# Altium PCB 28Pins_Project_V1I1_PCB.PcbDoc (continued)
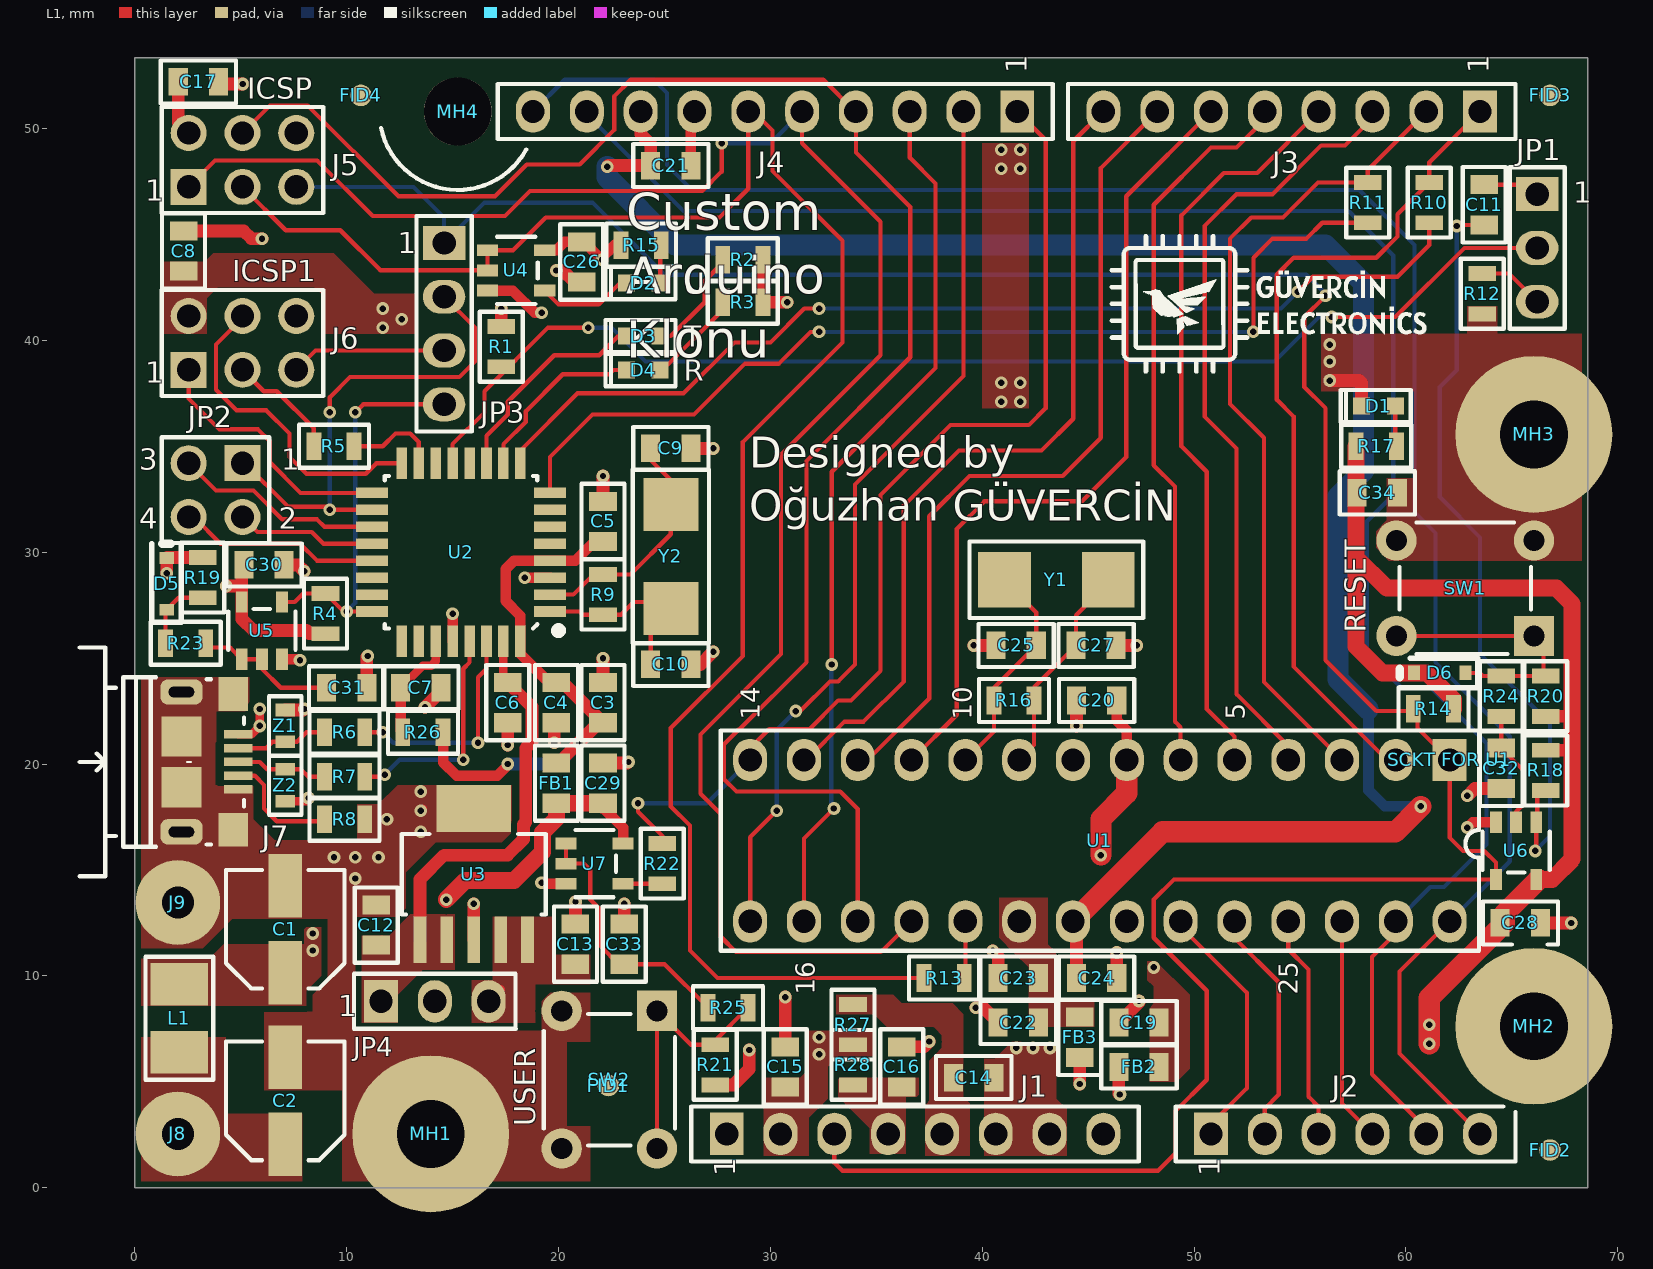
[diagram p0: L1 view]
## Nets (pads, with @x,y where several pads share a name; then routed paths per layer and width w, separated by ;. In a path a pad name is that pad's centre, name@x,y a point inside that pad or via, vN(x,y) a via of type N, cw(c..) or ccw(c..) an arc to the next point about the centre after c; other vN are vias at no path point)
16U2_16MHZ_XTAL1: C10.2 R9.1 U2.1 Y2.1 | length 9
  L1 w0.2: U2.1 20.984,27.2 21.134,27.05 R9.1 22.95,27.05 23.55,27.65 25.3,27.65 24.35,26.7 C10.2@24.35,25.1
16U2_16MHZ_XTAL2: C9.2 R9.2 U2.2 Y2.2 | length 10.9
  L1 w0.2: U2.2 20.7,28 21.65,28.95 R9.2 23.4,28.95 25.3,30.85 25.3,31.95 25.3,33.4 24.35,34.35 C9.2@24.35,34.5
16U2_BUF_RESETN: C31.1 R23.2 U5.1 U5.2 | length 6.8
  L1 w0.2: R23.2@3.35,25.5 4.5,25.5 U5.1 U5.2 6,24.489 6.889,23.6 C31.1
16U2_HDR_RESETN: J6.5 JP3.3 | length 7.4
  L1 w0.2: J6.5 8.532,39.52 JP3.3
16U2_MISO: J6.1 U2.17 | length 12.4
  L1 w0.2: J6.1 2.54,37.26 4,35.8 5.816,35.8 6.38,35.236 6.38,34.246 7.826,32.8 U2.17
16U2_MOSI: J6.4 U2.16 | length 15.3
  L1 w0.2: J6.4 5.08,41.05 3.83,39.8 3.83,37.67 4.8,36.7 6.2,36.7 7.3,35.6 7.3,34.5 8.1,33.7 10.9,33.7 11.4,34.2 U2.16
16U2_PB4: JP2.1 JP3.2 U2.18 | length 23.6
  L1 w0.2: JP2.1@5.1,34.22 JP2.1 5.177,34.2 7.227,32.15 9.1,32.15 9.25,32 U2.18 ; v1(9.2,36.6) 9.2,37.31 10.16,38.27 15.318,38.27 16.05,39.002 16.05,40.61 JP3.2
  L2 w0.2: v1(9.2,32) v1(9.2,36.6)
16U2_PB5: JP2.3 U2.19 | length 9.9
  L1 w0.2: JP2.3 3.83,32.91 5.598,32.91 6.958,31.55 8.599,31.55 8.949,31.2 U2.19
16U2_PB6: JP2.2 U2.20 | length 6.6
  L1 w0.2: JP2.2 5.79,30.95 8.35,30.95 8.9,30.4 U2.20
16U2_PB7: JP2.4 U2.21 | length 9.5
  L1 w0.2: JP2.4 2.785,31.66 4.045,30.4 7.8,30.4 8.6,29.6 U2.21
16U2_RESETN: JP3.4 R4.1 U2.24 U5.4 | length 18.7
  L1 w0.2: U5.4 7.55,27.65 7.95,28.05 R4.1 9.85,27.2 v1(10,27.2) U2.24 ; v1(10.4,36.6) 10.78,36.98 JP3.4
  L2 w0.2: v1(10,27.2) 10.4,27.6 v1(10.4,36.6)
16U2_RX_LED: D4.1 U2.10 | length 8.4
  L1 w0.2: U2.10 17.4,35.1 18.45,36.15 18.45,36.65 20.2,38.4 22.4,38.4 22.6,38.6 D4.1
16U2_RXD: R11.1 U2.8 | length 46.9
  L1 w0.2: U2.8 19.6,34.5 21.6,36.5 26.4,36.5 28.8,38.9 30.4,38.9 31.9,40.4 v1(32.3,40.4) ; v1(52.8,40.4) 52.8,43.9 53.7,44.8 55.3,44.8 56.05,45.55 R11.1
  L2 w0.2: v1(32.3,40.4) v1(52.8,40.4)
16U2_SCLK: J6.3 R5.2 | length 5.4
  L1 w0.2: J6.3 6.088,37.6 6.7,37.6 8.45,35.85 R5.2
16U2_SCLK_R: R5.1 U2.15 | length 4.7
  L1 w0.2: R5.1 11.7,35 12.3,35.6 13,35.6 13.4,35.2 U2.15 U2.15@13.4,34
16U2_TX_LED: D3.1 U2.11 | length 10.2
  L1 w0.2: U2.11 16.6,35.5 17.6,36.5 17.6,37.1 19.8,39.3 21.922,39.3 22.822,40.2 D3.1
16U2_TXD: R10.1 U2.9 | length 48.6
  L1 w0.2: U2.9 18.2,34.8 20.9,37.5 25.9,37.5 28.3,39.9 30,39.9 31.6,41.5 v1(32.3,41.5) ; v1(54.9,42.3) 55.6,43 59.6,43 61.1,44.5 R10.1
  L2 w0.2: v1(32.3,41.5) 54.1,41.5 v1(54.9,42.3)
16U2PROG_328P_RESETN: JP1.2 R1.1 U2.13 | length 57.8
  L1 w0.2: U2.13 15,35.1 16.5,36.6 16.5,37.6 19.5,40.6 v1(21.4,40.6) ; v1(56.5,41.1) 59.5,41.1 62.76,44.36 JP1.2
  L2 w0.2: v1(21.4,40.6) 22.5,40.6 24.1,39 53.8,39 55.9,41.1 v1(56.5,41.1)
328P_16MHZ_XTAL1: C27.2 R16.1 U1.9 Y1.1 | length 10.5
  L1 w0.2: U1.9@41.552,20.386 U1.9 42.45,20.898 R16.1 42.45,23.625 C27.2 44.425,27.025 45.95,28.55 Y1.1
328P_16MHZ_XTAL2: C25.2 R16.2 U1.10 Y1.2 | length 10.5
  L1 w0.2: U1.10 40.55,21.538 R16.2 40.55,23.6 C25.2 42.55,27.15 41.05,28.65 Y1.2
328P_AUTORESETN: C11.1 R18.1 U6.1 | length 36.6
  L1 w0.2: v1(62.4,45.4) 62.45,45.45 C11.1 ; v1(66.1,15.9) 66.15,15.95 U6.1 66.2,17.3 66.2,18.45 R18.1@66.5,18.75
  L2 w0.2: v1(62.4,45.4) 62.4,38.6 61.6,37.8 61.6,32.6 63.5,30.7 63.5,25.2 66.8,21.9 66.8,16.6 v1(66.1,15.9)
328P_BUF_RESETN: C32.1 R24.2 U6.2 | length 5.5
  L1 w0.2: R24.2@64.5,22.15 C32.1 65.55,19.7 65.55,18.099 65.2,17.749 U6.2
328P_RESETN: J1.3 J5.5 JP3.1 R14.1 U1.1 U6.4 | length 134.7
  L1 w0.2: J1.3 33.02,1.18 33.4,0.8 48.3,0.8 49.13,1.63 49.13,3.63 50.6,5.1 50.6,9.3 48.1,11.8 48.1,13.6 49.05,14.55 U6.4 64.25,15.35 63.7,15.9 62.7,15.9 62.065,16.535 U1.1 60.55,21.708 R14.1@60.55,22.5 ; v1(56.2,42.1) 55.2,41.1 55.2,37.8 56.2,36.8 56.2,24.9 58.6,22.5 R14.1@60.55,22.5 ; R14.1@60.55,22.6 R14.1@60.55,22.5
  L2 w0.2: J5.5 13.156,47.244 14.6,45.8 JP3.1 16.5,46.5 21.6,46.5 25,43.1 55.3,43.1 56.2,42.2 v1(56.2,42.1)
+3V3: C13.1 C16.1 J1.4 JP4.3 R28.1 U3.4 U3.5 | length 0.9
  L1 w0.4: JP4.3 JP4.3@17.27,9.37 ; U3.4 U3.4@17.37,11.6
+3V3_16U2_UCAP: C7.2 R26.1 U2.27 | length 5.1
  L1 w0.4: C7.2 13.6,24.65 14,24.65 14.2,24.85 U2.27
  L1 w0.5: R26.1@12.55,21.6 C7.2
+5V: C2.1 C6.1 C12.1 C14.1 J1.5 J8.1 JP4.1 L1.2 R27.2 U2.31 U3.1 U3.2 | length 20
  L1 w0.4: J8.1@2.1,2.7 J8.1@3.05,1.75 ; C12.1@11.62,11.67 C12.1@11.65,11.7 ; U2.31 17.4,24.05 C6.1
  L1 w0.6: U3.1 13.46,14.56 14.6,15.7 17.6,15.7 18.35,16.45 18.35,17.146 18.45,17.246 18.45,20.75 18.75,21.05 18.75,22.7 C6.1
+5V/3V3: C8.1 C15.1 C17.1 C26.1 C28.1 C29.1 C30.1 C34.1 D5.1 D6.1 FB1.1 FB2.1 FB3.1 J1.2 J5.2 J6.2 JP4.2 R1.2 R2.2 R3.2 R4.2 R14.2 R15.2 R17.2 R18.2 R19.2 R20.2 R21.2 R27.1 R28.2 U4.5 U5.5 U6.5 U7.5 | length 93.1
  L1 w0.5: C8.1@2.05,43.25 C8.1@2.1,43.3 ; U4.5 19.9,44.25 20.3,44.65 C26.1 21.2,44.65 22,43.85 22.65,44.5 R15.2 ; C29.1@21.9,18.15 22.1,17.95 23.05,17 U7.5 ; v1@46.45,4.45 v1(46.5,4.4)
  L1 w0.6: v1(1.5,29) D5.1 1.531,29.75 R19.2 ; C17.1 2.05,50.274 J5.2 ; v1(4.322,28.4) 4.95,28.4 5.05,28.3 ; C30.1 5.05,29.3 5.05,28.3 ; R4.2 8.25,26.15 8.1,26.3 5.6,26.3 5.05,26.85 U5.5 5.05,28.3 ; R1.2 v1(17.3,41.5) ; C29.1@22.1,17.95 C29.1 ; R21.2 28.25,4.85 29,5.6 v1(29,6.5) ; R2.2 R3.2 v1(30.8,41.8) ; v1(44.6,4.9) FB3.1 ; v1@46.45,4.45 FB2.1 ; R18.2@66.5,20.65 67.75,20.65 ; R20.2@66.5,22.25 67.65,22.25 67.75,22.15 67.8,22.2
  L1 w0.8: v1(14.7,13.6) 15.6,14.5 17.9,14.5 19.25,15.85 19.25,16.774 19.9,17.424 FB1.1 21.9,18.15 C29.1 ; R17.2 57.65,29.75 ; R14.2 62.25,23.05 61,24.3 D6.1 58.9,24.3 57.65,25.55 57.65,29.75 ; U6.5 66.25,14.55 66.894,14.55 67.85,15.506 67.85,27.55 67.1,28.3 59.1,28.3 57.65,29.75
  L1 w1: v1(61.1,6.8) 61.1,8.95 64.65,12.5 64.65,12.95 U6.5@66.25,14.55
  L2 w0.5: JP4.2 JP4.2@14.16,9.36
  other v1: 32.3,6.3 32.3,7.1 61.1,7.7 11.7,40.6 12.6,41 11.7,41.5 22.05,43.8
+5V/3V3_16U2: C3.1 C4.1 C5.1 FB1.2 R26.2 U2.4 U2.32 | length 26.3
  L1 w0.5: R26.2 14.55,20.089 15.189,19.45 17.1,19.45 v1@17.6,19.95 ; C4.1 19.55,23.85 18.2,25.2 U2.32 18.2,27 17.5,27.7 17.5,29.2 17.9,29.6 U2.4 20.784,29.6 21.684,30.5 C5.1
  L1 w0.6: FB1.2 20,20.05 21.9,21.95 C3.1 20.2,23.85 C4.1
  L2 w0.6: v1@17.7,20 19.961,20 20.939,20.978 v1(20.984,20.978)
  other v1: 17.6,20
+5V/3V3_328P_AVCC: C22.1 C23.1 FB3.2 U1.20 | length 0.4
  L1 w0.4: C22.1 C22.1@42.9,8.05
+5V/3V3_328P_VCC: C19.1 C20.1 FB2.2 U1.7 | length 8
  L1 w0.5: C20.1 46.35,22.058 46.825,21.583 U1.7
  L1 w1: v1(45.6,15.7) 45.6,17.4 46.825,18.625 U1.7
  other v1: 48.1,10.4
+5V_USB: C1.1 J7.1 L1.1 | length 2.5
  L1 w0.4: J7.1 5.5,21.4 v1(5.9,21.8) v1(5.9,22.6) ; C1.1@6.775,9.725 C1.1@7.1,10.05
  other v1: 8.4,11.2 8.4,12
+AREF: C21.1 C24.1 J4.8 U1.21 | length 92.3
  L1 w0.6: v1(22.3,48.2) 22.35,48.25 C21.1 24.35,49.266 23.876,49.74 J4.8 ; U1.21 44.45,12.408 C24.1
  L1 w1: U1.21 48.512,16.8 59.5,16.8 v1(60.7,18)
  L2 w0.5: 58.214,22.586 58.235,22.565 58.235,18.765 59,18 v1(60.7,18)
  L2 w1: v1(22.3,48.2) 22.3,47.7 25.5,44.5 56.2,44.5 58,42.7 58,33.828 56.8,32.628 56.8,24 58.214,22.586
AD0: J2.1 U1.23 | length 12
  L1 w0.2: U1.23 49.365,12.335 52.5,9.2 52.5,4.7 50.8,3 J2.1
AD1: J2.2 U1.24 | length 11.2
  L1 w0.2: U1.24 51.905,11.795 54,9.7 54,4.4 53.34,3.74 J2.2
AD2: J2.3 U1.25 | length 10.6
  L1 w0.2: U1.25 54.445,11.255 55.4,10.3 55.4,4.3 55.88,3.82 J2.3
AD3: J2.4 U1.26 | length 10.6
  L1 w0.2: U1.26 56.985,3.975 J2.4
AD4/SDA: J2.5 J4.9 U1.27 | length 89.8
  L1 w0.2: U1.27 59.525,12.025 58.4,10.9 58.4,5.36 60.96,2.8 J2.5
  L2 w0.2: J4.9 21.336,50.664 25.9,46.1 57.3,46.1 59.4,44 59.4,32.7 58.15,31.45 58.15,25.25 59.8,23.6 61.183,23.6 63.8,20.983 63.8,16.2 61.8,14.2 61.152,14.2 U1.27
AD5/SCL: J2.6 J4.10 U1.28 | length 95.1
  L1 w0.2: J4.10@18.796,50.704 J4.10 ; U1.28 59.7,10.208 59.7,6.34 J2.6
  L2 w0.2: J4.10 20.296,52.3 24.5,52.3 25.126,51.674 25.126,48.274 26.3,47.1 57.8,47.1 60.4,44.5 60.4,31.9 61.4,30.9 61.4,24.8 64.9,21.3 64.9,15.408 U1.28
BUTTON_RESETN: D6.2 R20.1 R24.1 SW1.1 SW1.2 | length 12.5
  L1 w0.2: SW1.2 SW1.1 66.5,25.6 66.5,24.15 R24.1 ; D6.2 63.484,24.3 63.634,24.15 R24.1 ; R24.1@64.35,24.3 R24.1
CON_USB_N: J7.2 R6.1 Z1.2 | length 4.4
  L1 w0.2: J7.2 6.188,20.75 6.488,21.05 Z1.2 7.65,21.05 8.1,21.5 R6.1
CON_USB_P: J7.3 R7.1 Z2.2 | length 4.4
  L1 w0.2: J7.3 5.9,20.1 6.25,19.75 Z2.2 7.85,19.75 8.2,19.4 R7.1
GND: C1.2 C2.2 C3.2 C4.2 C5.2 C6.2 C7.1 C8.2 C9.1 C10.1 C12.2 C13.2 C14.2 C15.2 C16.2 C17.2 C19.2 C20.2 C21.2 C22.2 C23.2 C24.2 C25.1 C26.2 C27.1 C28.2 C29.2 C30.2 C31.2 C32.2 C33.2 C34.2 D1.1 J1.6 J1.7 J4.7 J5.6 J6.6 J7.5 J7.6 J7.7 J7.8 J7.9 J7.10 J7.11 J9.1 MH1.1 MH2.1 MH3.1 R8.2 R12.2 SW1.3 SW1.4 SW2.3 SW2.4 U1.8 U1.22 U2.3 U2.28 U3.3 U3.6 U4.3 U5.3 U6.3 U7.3 Z1.1 Z2.1 | length 65.7
  L1 w0.4: J7.9@2.1,16.7 J7.9 ; J7.11 J7.11@2.65,18.9 ; J7.10 J7.10@2.65,21.3 ; J7.7@4.55,16.8 J7.7 J7.7@4.875,17.125 ; J7.6@4.55,23.4 J7.6 ; C1.2@7.1,14.35 C1.2@7.1,14.45 ; Z2.1 v1@8.093,18.25 ; v1@10.95,25.05 v1(11,25.1) ; v1(13.5,17.8) v1@13.6,17.9 ; MH1.1 MH1.1@14.81,1.7 ; U1.8 U1.8@44.45,20.358 ; U1.22@46.35,12.098 U1.22
  L1 w0.5: U5.3 7.75,24.95 v1(7.8,24.9) ; v1@7.95,22.55 v1(8,22.6) ; U2.28 v1(15,27.1) ; U4.3 17.84,42.35 18.89,41.3 v1(19.2,41.3) ; v1(18.4,28.8) U2.3 ; v1(19.2,14.4) 19.25,14.35 U7.3 ; C29.2@21.9,20.05 C29.2 ; v1@23.25,20.05 v1(23.3,20.1) ; C21.2 26.25,50.634 26.282,50.634 26.416,50.5 J4.7 ; v1(62.9,17) 63.15,17.25 U6.3
  L1 w0.6: C8.2 5.136,45.164 5.5,44.8 v1(6,44.8) ; C17.2 4.05,52.1 v1(5.1,52.1) ; C30.2 7.7,29.4 v1(8,29.1) ; Z1.1 v1@7.95,22.55 ; C31.2 v1@10.95,25.05 ; v1(13.7,22.684) 14.45,23.434 C7.1 ; U3.3 v1(16,13.4) ; v1(17.6,20.9) C6.2 ; v1(19.8,21) 19.8,21.85 C4.2 ; v1(19.9,43.3) 20.2,43.3 20.75,42.75 C26.2 ; C13.2 v1(20.8,13.5) ; C29.2 v1@23.25,20.05 ; C3.2 v1(22.1,25) ; C5.2 v1(22.1,33.6) ; C33.2 v1(23.1,13.4) ; C10.1 26.7,24.7 v1(27.3,25.3) ; C9.1 v1(27.3,34.9) ; C15.2 v1(30.7,9) ; C16.2 37.25,6.65 v1(37.5,6.9) ; v1(39.6,25.6) C25.1 ; v1(39.7,8.5) 40.05,8.5 C22.2 ; v1(40.5,11.183) 40.75,10.933 C23.2 ; v1(44.45,21.8) C20.2 ; C27.1 v1(47.3,25.6) ; C24.2 v1(46.35,11.1) ; C19.2 47.4,8.75 v1(47.4,8.816) ; v1(56.4,38.1) 57.8,38.1 57.9,38 D1.1 ; v1(62.9,18.5) 63.25,18.85 C32.2 ; C28.2 v1(67.8,12.5)
  L1 w0.9: J1.6@40.55,2.63 J1.6
  L2 w0.4: J7.8@2.1,23.3 J7.8 ; v1(13.5,16.8) v1@13.6,16.7 ; MH1.1 MH1.1@13.97,2.75 ; J1.6 J1.6@40.64,3.16 ; U1.22@46.35,12.098 U1.22 ; MH3.1@63.8,37.8 MH3.1 ; MH2.1 MH2.1@67.8,9.38 ; SW1.3@66.04,30.56 SW1.3
  other v1: 41.6,6.6 42.4,6.6 43.2,6.6 10.4,14.6 9.4,15.6 10.4,15.6 11.5,15.6 11.9,17.4 8.2,18.4 13.5,18.7 40.9,37.1 41.8,37.1 40.9,38 41.8,38 56.4,39 56.4,39.8 40.9,48.1 41.8,48.1 40.9,49 41.8,49
IO0: J3.1 R10.2 U1.2 | length 39.4
  L1 w0.2: U1.2 59.11,20.193 54.7,24.603 54.7,36.4 53.9,37.2 53.9,43.1 54.7,43.9 58.6,43.9 59.6,44.9 59.6,45.95 R10.2 61.1,48.4 J3.1
IO1: J3.2 R11.2 U1.3 | length 38.9
  L1 w0.2: U1.3 53.3,23.878 53.3,35.4 51.7,37 51.7,44.8 52.7,45.8 54.2,45.8 55.85,47.45 R11.2 58.2,48.04 J3.2
IO2: J3.3 U1.4 | length 37.2
  L1 w0.2: U1.4 54.445,20.855 52,23.3 52,34.9 50.5,36.4 50.5,45.4 52,46.9 53.7,46.9 56,49.2 57.12,49.2 58.42,50.5 J3.3
IO3: J3.4 U1.5 | length 35.3
  L1 w0.2: U1.5 51.905,21.295 50.6,22.6 50.6,33.8 49.4,35 49.4,45.9 51.4,47.9 52.98,47.9 J3.4
IO4: J3.5 U1.6 | length 34
  L1 w0.2: U1.6 49.365,21.735 49.1,22 49.1,33.1 48.1,34.1 48.1,46.4 50.8,49.1 52,49.1 53.34,50.44 J3.5
IO5: J3.6 U1.11 | length 39.2
  L1 w0.2: U1.11 38.8,22.328 38.8,31.1 40.1,32.4 44.7,32.4 46.8,34.5 46.8,46.8 J3.6
IO6: J3.7 U1.12 | length 39.3
  L1 w0.2: U1.12 34.593,20.193 37.5,23.1 37.5,31.7 39.4,33.6 43.8,33.6 45.6,35.4 45.6,48.14 J3.7
IO7: J3.8 U1.13 | length 39.3
  L1 w0.2: U1.13 31.693,20.193 33.5,22 34.4,22 36.3,23.9 36.3,32.2 38.9,34.8 42.8,34.8 44.3,36.3 44.3,49.4 45.7,50.8 J3.8
IO8: J4.1 R22.1 U1.14 | length 49.1
  L1 w0.2: v1(23.75,18.15) 23.75,17.75 24.9,16.6 R22.1 ; U1.14 29.045,20.745 29.943,21.643 31.843,21.643 33.2,23 33.8,23 35.2,24.4 35.2,32.7 38.5,36 42.2,36 43,36.8 43,49.456 J4.1
  L2 w0.2: v1(23.75,18.15) 27.002,18.15 U1.14
IO9: J4.2 U1.15 | length 42.8
  L1 w0.2: U1.15 29.045,16.545 v1(30.3,17.8) ; v1(31.2,22.5) 31.41,22.5 32.81,23.9 33.2,23.9 34,24.7 34,33.2 39.116,38.316 J4.2
  L2 w0.2: v1(30.3,17.8) 30.3,21.6 v1(31.2,22.5)
MISO: J4.5 J5.1 U1.18 | length 87.8
  L1 w0.2: J5.1 3.79,48.494 8.606,48.494 11.23,45.87 17.47,45.87 18.65,47.05 26.786,47.05 27.7,47.964 v1@27.7,49.2 ; J4.5@31.496,51.004 J4.5 31.496,49.304 35.2,45.6 35.2,39.3 30.5,34.6 30.5,25.2 26.7,21.4 26.7,18.6 27.655,17.645 27.655,11.845 28.377,11.123 35.215,11.123 U1.18
  L2 w0.2: v1(27.7,49.3) 29.996,49.3 J4.5
MOSI: J4.4 J5.4 U1.17 | length 83.5
  L1 w0.2: J5.4 6.38,51.084 8.158,51.084 12.442,46.8 17,46.8 18.5,48.3 21,48.3 22.626,49.926 22.626,51.518 23.408,52.3 32.5,52.3 34,50.8 J4.4 34.036,48.864 36.6,46.3 36.6,39.2 31.7,34.3 31.7,24.8 28.543,21.643 28.527,21.643 27.795,20.911 27.795,19.305 28.4,18.7 33.3,18.7 34.125,17.875 U1.17
NetC11_2: C11.2 JP1.1 | length 2.9
  L1 w0.2: C11.2@63.9,47.35 65.35,47.35 65.8,46.9 JP1.1@66.6,46.9
NetD1_2: D1.2 R17.1 | length 1.9
  L1 w0.2: D1.2 59.5,35.05 R17.1
NetD2_1: D2.1 U4.4 | length 4.5
  L1 w0.2: U4.4 20,41.7 21.9,41.7 22.9,42.7 D2.1
NetD2_2: D2.2 R15.1 | length 1.9
  L1 w0.2: D2.2 R15.1@24.8,44.6
NetD3_2: D3.2 R2.1 | length 5.1
  L1 w0.2: D3.2 25.3,40.2 26.9,41.8 26.9,42.816 27.75,43.666 R2.1
NetD4_2: D4.2 R3.1 | length 4.5
  L1 w0.2: D4.2 24.916,38.6 27.75,41.434 R3.1
NetD5_2: D5.2 R19.1 R23.1 | length 3.7
  L1 w0.2: R23.1@1.45,25.5 1.45,27.231 D5.2 2.069,27.85 R19.1
NetJ7_4: J7.4 R8.1 | length 5.7
  L1 w0.2: J7.4 5.666,19.45 6.1,19.016 6.1,17.9 6.7,17.3 8.85,17.3 R8.1
NetJP1_3: JP1.3 R12.1 | length 3.4
  L1 w0.2: R12.1 64.87,43.15 JP1.3 ; JP1.3@66.4,42.02 JP1.3@66.6,41.82
NetR22_2: R22.2 U7.4 | length 1.9
  L1 w0.2: U7.4 R22.2
SCK: J4.6 J5.3 R13.2 U4.1 U4.2 | length 88.2
  L1 w0.2: J5.3 7.124,45.2 9.7,45.2 11.59,43.31 U4.2@16.65,43.31 ; U4.2 U4.2@16.65,43.31 ; R13.2 27.5,9.9 26.2,11.2 26.2,17.1 25.3,18 25.3,21.7 28.7,25.1 28.7,35.2 33.4,39.9 33.4,44.7 30.1,48 30.1,49.9 29.2,50.8 J4.6 28.956,47.156 27.6,45.8 19.4,45.8 17.85,44.25 U4.1 U4.2@16.65,43.31
SCK_R: R13.1 U1.19 | length 2.7
  L1 w0.2: R13.1 39.205,9.955 U1.19
SS: J4.3 U1.16 | length 41.4
  L1 w0.2: U1.16 31.585,16.485 v1(33,17.9) ; v1(32.9,24.7) 32.9,33.8 37.8,38.7 37.8,47.4 36.576,48.624 J4.3
  L2 w0.2: v1(32.9,24.7) 32.875,24.675 32.875,18.025 v1(33,17.9)
USB_N: R6.2 U2.30 | length 10.5
  L1 w0.2: R6.2 v1(11.7,21.5) ; v1(16.2,21) 16.2,24.1 16.6,24.5 U2.30
  L2 w0.2: v1(11.7,21.5) 12.2,21 v1(16.2,21)
USB_P: R7.2 U2.29 | length 10.7
  L1 w0.2: R7.2 11.7,19.4 v1(11.8,19.5) ; v1(15.5,20.2) 15.5,24.5 15.8,24.8 U2.29
  L2 w0.2: v1(11.8,19.5) 12.5,20.2 v1(15.5,20.2)
USER_BUTTON: R21.1 R25.1 SW2.1 SW2.2 | length 12.3
  L1 w0.2: SW2.2 SW2.1 26.25,6.75 R21.1 27.4,6.95 R25.1
USER_BUTTON_BUF: C33.1 R25.2 U7.1 U7.2 | length 12.3
  L1 w0.2: U7.1 U7.2 21.2,15.3 21.5,15 21.5,13.6 22,13.1 22,11.384 22.834,10.55 C33.1 25,10.55 R25.2
pads on no net: FID1.1 FID2.1 FID3.1 FID4.1 J1.1 J1.8 MH4.1 U2.5 U2.6 U2.7 U2.12 U2.14 U2.22 U2.23 U2.25 U2.26

## Polygon pours and split planes (outlines as drawn)
+5V on L2 "L2-No Net" (solid, remove dead copper, pour order 3): 39.6,3.6 39.6,0.3 0.3,0.3 0.3,4.8 0.3,5.7 7.2,5.7 11.2,9.7 11.3,9.8 11.8,9.8 12.4,9.8 12.4,8.3 12.4,7.5 18.8,7.5 21.8,4.5 25,4.5 26.24,4.5 26.9,3.84 26.9,1.24 34.94,1.24 36.9,1.24 36.9,3.6
+3V3 on L2 "L2-No Net" (solid, remove dead copper, pour order 4): 15.9,7.8 15.9,9.8 16.8,10.7 21.9,10.7 23.4,9.2 23.4,7.1 27.2,7.1 28.4,5.9 28.7,5.6 30.2,5.6 34.3,5.6 35.8,4.1 36.4,3.5 36.4,1.6 34.7,1.6 34.7,2.7 34.7,2.8 33.8,3.7 33.66,3.84 27.36,3.84 26.7,4.5 26.4,4.8 23.1,4.8 22,4.8 19,7.8
+5V/3V3 on L2 "L2-No Net" (solid, remove dead copper, pour order 5): 0.3,6 7.05,6 7.75,6.7 11.15,10.1 12.4,10.1 12.9,10.1 12.9,7.8 15.4,7.8 15.4,9.2 15.4,10 15.9,10.5 16.4,11 22.1,11 23,10.1 23.4,9.7 26,9.7 26,7.5 27.4,7.5 28.1,6.8 29,5.9 29.684,5.9 34.5,5.9 36,4.4 36.5,3.9 39.9,3.9 39.9,0.3 61.8,0.3 61.8,8.6 58.7,8.6 55.2,8.6 52.7,6.1 41.284,6.1 41.084,6.3 37.2,6.3 35.2,8.3 30.5,8.3 26,12.8 15.4,12.8 15.4,13.9 9.1,13.9 9.1,10.6 7.1,10.6 7.1,13.7 6.7,14.1 6.6,14.2 6.6,15.3 6.6,16.3 6,16.9 5.6,17.3 5.6,18.5 5.6,19.6 5.2,20 5.2,51.2 0.3,51.2
+5V_USB on L2 "L2-No Net" (solid, remove dead copper, pour order 6): 7.4,10.9 8.8,10.9 8.8,17.8 7.7,17.8 7.7,18.1 7.7,21.8 7.2,21.8 7.2,23.197 5.503,23.197 5.499,20.201 5.9,19.8 5.9,17.5 7,16.4 7,14.3 7.4,13.9
GND on L2 "L2-No Net" (solid, remove dead copper, pour order 8): 0.3,53 0.3,51.5 5.5,51.5 5.5,49.6 5.5,23.5 7.2,23.5 7.5,23.5 7.5,22.1 8,22.1 8,17.8 8,18.1 9.1,18.1 9.1,15.3 9.1,14.2 15.7,14.2 15.7,13.1 26.2,13.1 27.2,12.1 30.7,8.6 32.2,8.6 35.4,8.6 37.4,6.6 41.216,6.6 41.416,6.4 41.9,6.4 52.44,6.4 54.94,8.9 62.1,8.9 62.1,0.3 68.3,0.3 68.3,13.3 67.1,13.3 63.2,13.3 63.2,11.3 58.4,11.3 58.4,14.8 61.5,14.8 63.1,16.4 63.2,16.5 63.2,18.3 63.2,18.8 61.8,18.8 61.3,18.8 61.3,17.4 58.8,17.4 57.5,18.7 55.8,18.7 55.8,33.1 56.7,34 56.9,34.2 56.9,40.1 55.9,40.1 54.1,38.3 23.6,38.3 21.9,40 21.7,40 20.8,40 20.8,43.6 19,43.6 18.9,43.5 18.9,37.8 12.2,37.8 12.2,39.7 10.8,39.7 10.8,46.4 6.8,46.4 6.8,48 9.5,48 10.8,48 10.8,53
+5V/3V3 on L2 "L2-No Net" (solid, remove dead copper, pour order 7): 11.1,43.5 16.5,43.5 16.5,45.7 21.3,45.7 23.2,43.8 23.5,43.5 24.5,42.5 27.6,42.5 31.5,42.5 31.5,40.1 24.3,40.1 23.1,41.3 21.2,41.3 21.2,43.9 18.6,43.9 18.6,38.1 12.5,38.1 12.5,40 12.319,40 11.1,40
+5V/3V3_328P_VCC on L2 "L2-No Net" (solid, remove dead copper, pour order 2): 45.3,15.3 47,15.3 47.5,14.8 47.9,14.4 47.9,10.1 50.8,10.1 50.8,16.2 45.3,16.2
GND on L2 "L2-No Net" (solid, remove dead copper, pour order 19): 68.3,53 25.7,53 25.7,48.5 26.5,47.7 28.6,47.7 63.3,47.7 68.3,47.7
GND on L1 "L2-No Net" (solid, remove dead copper, pour order 17): 56,40.3 62.9,40.3 62.9,41.6 64.3,41.6 64.3,40.3 68.3,40.3 68.3,39 68.3,29.6 59.3,29.6 59.2,29.6 58.6,30.2 58.6,30.9 58.6,31 59.1,31.5 59.1,32.7 59.1,33.5 60.4,33.5 60.4,37.6 58.3,37.6 57.262,37.6 56,37.6
GND on L1 "L2-No Net" (solid, remove dead copper, pour order 21): 42.2,49.3 42.2,36.8 40.5,36.8 40,36.8 40,38.3 40,49.3 42.2,49.3
+3V3 on L1 "L2-No Net" (solid, remove dead copper, pour order 23): 15.9,9.8 16.9,9.8 16.9,12.8 19.8,12.8 19.8,11 21.5,11 21.5,9.6 18.9,9.6 18.9,7.8 15.9,7.8
+3V3 on L1 "L2-No Net" (solid, remove dead copper, pour order 25): 33.2,5.2 37,5.2 37,4.3 36.4,4.3 36.4,1.6 34.7,1.6 34.7,2.8 33.2,4.3
+5V on L1 "L2-No Net" (solid, remove dead copper, pour order 27): 0.3,0.3 7.9,0.3 7.9,3.5 4.3,3.5 4.3,7.1 0.3,7.1
+5V on L1 "L2-No Net" (solid, remove dead copper, pour order 29): 10.7,11.9 10.7,7.8 12.4,7.8 12.4,9.1 13.5,10.2 13.6,10.3 15.1,10.3 15.1,12.9 13,12.9 12.1,12 12,11.9 10.7,11.9
+5V on L1 "L2-No Net" (solid, remove dead copper, pour order 33): 37.3,1.5 37.3,3.7 37.3,3.9 37.4,4 37.5,4.1 37.5,4.5 37.5,6 37.8,6.3 38.1,6.6 38.1,7 38.1,7.2 37.8,7.5 37.7,7.6 37,7.6 35.5,7.6 35.1,8 34.9,8.2 34.2,8.2 33.1,8.2 33.1,9.1 35.8,9.1 36.2,8.7 37.1,8.7 38.6,8.7 39.1,8.2 39.1,6.3 39.1,4.3 39.3,4.1 39.4,4 39.4,3.84 39.4,1.5 37.3,1.5
+5V/3V3 on L1 "L2-No Net" (solid, remove dead copper, pour order 35): 29.7,1.5 29.684,1.516 29.684,5.2 31.416,5.2 31.716,5.5 31.716,6.1 31.716,7.4 34.8,7.4 34.916,7.4 34.916,6.2 33.184,6.2 32.884,5.9 32.7,5.716 32.7,4.5 32.7,4.2 31.8,3.3 31.8,2.3 31.8,1.5 29.7,1.5
+5V/3V3 on L1 "L2-No Net" (solid, remove dead copper, pour order 37): 1.4,40.3 3.3,40.3 3.4,40.3 3.4,41.5 3.4,41.978 3.8,42.378 3.922,42.5 5.1,42.5 8.478,42.5 8.6,42.378 9,41.978 9,41.2 9,40.3 13.3,40.3 13.3,42.2 11.3,42.2 10.1,43.4 9.4,44.1 7.1,44.1 3.7,44.1 3.5,43.9 3.3,43.7 3,43.7 1.4,43.7 1.4,40.3
+5V/3V3_328P_AVCC on L1 "L2-No Net" (solid, remove dead copper, pour order 41): 43.1,7.4 43.1,7.6 45.3,7.6 45.3,8.8 43.478,8.8 43.478,11.122 43.1,11.5 43.1,12.6 43.1,13.7 41.5,13.7 40.8,13.7 40.8,11.8 41.5,11.1 42.2,10.4 42.2,7.4
+5V/3V3_328P_VCC on L1 "L2-No Net" (solid, remove dead copper, pour order 43): 47.9,5 47.9,8.5 48,8.6 48.1,8.7 48.1,9.1 48.1,9.5 47.8,9.8 47.8,10.6 47.8,10.7 48.1,10.7 48.2,10.7 49.8,9.1 49.8,7.4 49.8,5.622 49.178,5
+5V_USB on L1 "L2-No Net" (solid, remove dead copper, pour order 45): 0.3,8.6 8.1,8.6 8.1,9.3 8.8,10 8.8,12.3 8,12.3 8,11.5 6.2,11.5 4.2,11.5 3.7,11 3.5,10.8 2.8,10.8 0.3,10.8
GND on L1 "L2-No Net" (solid, remove dead copper, pour order 47): 44,1.5 44,3.7 43.6,4.1 43.5,4.2 43.5,5.5 43.5,6.9 41.4,6.9 41.3,6.8 40.6,6.1 40.1,6.1 40.1,3.7 40.1,1.5
GND on L1 "L2-No Net" (solid, remove dead copper, pour order 49): 0.3,24.1 5.4,24.1 5.4,22.5 3.85,22.5 3.85,21.05 3.8,21 3.8,19 5.6,19 5.6,17.5 5.6,17.4 6.3,16.7 6.6,16.4 8.9,16.4 10.5,16.4 10.5,18.1 11.5,18.1 12.4,19 14.3,19 17.8,19 17.8,16.8 17.3,16.3 16.2,16.3 14.2,16.3 13.6,15.7 12.8,14.9 12.8,13.6 12.8,13.2 12.6,13 12.4,12.8 11.1,12.8 10.5,12.8 10.4,12.7 10.4,11.2 10.4,7.4 12.7,7.4 19.2,7.4 19.2,8.4 19.2,8.8 19.6,9.2 21.5,9.2 21.5,8.1 21.5,6.9 20.4,6.9 20.4,2.9 21.5,2.9 21.5,0.3 9.8,0.3 9.8,2.6 9.8,4.6 6.1,4.6 6.1,7.5 6.1,8.3 7.8,8.3 8.1,8.3 8.4,8.3 8.4,9.1 9.1,9.833 9.1,12.7 8.2,12.7 6.3,12.7 4.6,12.7 3.6,11.7 3.2,11.3 1,11.3 0.3,11.3

## Other copper
L2:
  pour cut-out: 9.2,37.212 10.4,37.212 10.4,31.7 9.2,31.7

## Silkscreen, mask and mechanical layers (free items; w line width, h text height)
Top Overlay:
  drawing of 28 lines, arcs and shapes, not listed
  text "ICSP" at 5.3,51.4 h1
  text "ICSP1" at 4.6,42.8 h1
  text "U" at 25.9,42.2 h1
  text "T" at 25.9,39.7 h1
  text "Custom / Arduino / Klonu" at 23.2,38.6 h3
  text "R" at 25.9,38.1 h1
  text "3" at 0.2,33.9 h1
  text "4" at 0.2,31.1 h1
  text "2" at 6.8,31.1 h1
  text "Designed by / Oğuzhan GÜVERCİN" at 29,31 h2.5
  text "RESET" at 58.1,26.2 h1 r90
  text "14" at 29.5,22.1 h0.9 r90
  text "10" at 39.5,22.1 h0.9 r90
  text "5" at 52.4,22.1 h0.9 r90
  text "16" at 32.1,9.1 h0.9 r90
  text "25" at 54.9,9.1 h0.9 r90
  text "USER" at 18.9,2.9 h1 r90
Bottom Overlay:
  lines w0.254: 11.5,32 17.5,32 ; 11.608,14.808 11.608,15.506 ; 13.5,20 13.5,34 ; 14.148,10.236 14.148,15.506 ; 15.5,20 15.5,34 ; 16.688,14.808 16.688,15.506 ; 65.5,14 67.5,14 ; 65.5,16 67.5,16 ; 65.5,18 67.5,18 ; 65.5,20 67.5,20 ; 65.5,22 67.5,22 ; 11.5,20 11.5,20.75 11.5,34 17.5,34 17.5,20 11.5,20 ; 65.5,12 65.5,24 67.5,24 67.5,12 65.5,12
  lines w0.508: 11.722,7.2 11.722,6.8 14.078,6.8 14.078,7.2 ; 12.097,15.316 13.653,15.316 ; 14.637,15.316 16.193,15.316 ; 16.1,37.022 16.5,37.022 16.5,39.378 16.1,39.378 ; 67.7,44.444 68.1,44.444 68.1,46.8 67.7,46.8
  text "AR/DF" at 66.777,52.908 h1.8 r90
  text "AD5/SCL" at 19.507,49.124 h2.2 r90
  text "AD4/SDA" at 22.047,49.124 h2.2 r90
  text "AREF" at 24.587,49.124 h2.2 r90
  text "GND" at 27.127,49.124 h2.2 r90
  text "13" at 29.667,49.124 h2.2 r90
  text "12" at 32.207,49.124 h2.2 r90
  text "11~" at 34.747,49.124 h2.2 r90
  text "10~" at 37.287,49.124 h2.2 r90
  text "9~" at 39.827,49.124 h2.2 r90
  text "8" at 42.367,49.124 h2.2 r90
  text "7" at 46.406,49.124 h2.2 r90
  text "6~" at 48.946,49.124 h2.2 r90
  text "5~" at 51.486,49.124 h2.2 r90
  text "4" at 54.026,49.124 h2.2 r90
  text "3~" at 56.566,49.124 h2.2 r90
  text "2" at 59.106,49.124 h2.2 r90
  text "1" at 61.646,49.124 h2.2 r90
  text "0" at 64.186,49.124 h2.2 r90
  text "TX (OUT)" at 61.646,47.244 h2.2 r90
  text "RX (IN)" at 64.186,47.244 h2.2 r90
  text "dW/PROG/ISP" at 12.725,46.041 h1.8 r90
  text "BOARD VARIANT" at 11,34 h1.8 r90
  text "FIXED 5V" at 13,31.5 h1.8 r90
  text "5V / 3V3" at 15,31.5 h1.8 r90
  text "CUSTOM" at 17,31.5 h1.8 r90
  text "MODBOX" at 65,24 h1.8 r90
  text "A" at 67,23.5 h1.8 r90
  text "B" at 67,21.5 h1.8 r90
  text "C" at 67,19.5 h1.8 r90
  text "IO" at 14.834,18.009 h2.2 r90
  text "D" at 67,17.5 h1.8 r90
  text "E" at 67,15.5 h1.8 r90
  text "+5V INPUT POWER" at 5.9,15.4 h1.8 r90
  text "3.3V" at 17.424,14.224 h2.2 r90
  text "5V" at 12.37,13.513 h2.2 r90
  text "F" at 67,13.5 h1.8 r90
  text "(OPTIONAL)" at 7.9,12.5 h1.8 r90
  text "-" at 3.2,11 h5 r90
  text "RESET" at 33.731,10.51 h2.2 r90
  text "3.3/5V" at 31.191,9.752 h2.2 r90
  text "+3.3V" at 36.271,9.252 h2.2 r90
  text "GND" at 41.351,8.312 h2.2 r90
  text "GND" at 43.891,8.312 h2.2 r90
  text "+5V" at 38.811,7.61 h2.2 r90
  text "+" at 3.6,7.5 h5 r90
  text "NC" at 28.651,6.73 h2.2 r90
  text "NC" at 46.431,6.73 h2.2 r90
  text "A4" at 61.671,6.604 h2.2 r90
  text "A0" at 51.511,6.552 h2.2 r90
  text "A2" at 56.591,6.55 h2.2 r90
  text "A3" at 59.131,6.565 h2.2 r90
  text "A1" at 54.051,6.331 h2.2 r90
  text "A5" at 66.396,3.734 h2.2 r90
Mechanical Drawing:
  circle w1.016: c15.24,50.8 r1.6
  circle w1.016: c13.97,2.54 r1.6
  circle w1.016: c66.04,7.62 r1.6
  circle w1.016: c66.04,35.56 r1.6
  lines w1.016: 0,53.3 0,0 68.58,0 68.6,0.02 68.6,53.3 0,53.3 ; 0,53.3 0,53.3
  text "Mechanical Drawing" at 5,67.5 h3.5
  text "of 28Pins" at 10,60 h3.5
  text ".VersionRevision" at 45,60 h3.5
  text "Units: mils" at -35,-15 h2.03
  text "Scale: 1:1" at -35,-20 h2.03
Board Outline:
  lines w0.254: 0,0 68.58,0 68.58,53.34 0,53.34 0,0 ; 0,53.3 0,53.3 ; 68.6,0 68.6,0 ; 68.6,53.3 68.6,53.3
ASM Top:
  text "Assembly TOP of 28Pins" at 15,62.5 h1.52
  text ".VersionRevision" at 50,62.5 h1.52
  text ".VariantName" at 30,58.5 h1.52

## Dimensions
0,0 to 0,53.34 on Mechanical Drawing
0,0 to 63.5,50.8 on Mechanical Drawing
0,0 to 2.54,47.244 on Mechanical Drawing
0,0 to 2.54,38.608 on Mechanical Drawing
0,0 to 66.04,35.56 on Mechanical Drawing
0,0 to 2.2,23.4 on Mechanical Drawing
0,0 to 2.032,13.462 on Mechanical Drawing
0,0 to 66.04,7.62 on Mechanical Drawing
0,0 to 50.8,2.54 on Mechanical Drawing
0,0 to 2.54,47.244 on Mechanical Drawing
0,0 to 2.032,2.54 on Mechanical Drawing
0,0 to 68.58,0 on Mechanical Drawing
0,0 to 66.04,35.56 on Mechanical Drawing
0,0 to 63.5,50.8 on Mechanical Drawing
0,0 to 50.8,2.54 on Mechanical Drawing
0,0 to 41.656,50.8 on Mechanical Drawing
0,0 to 27.94,2.54 on Mechanical Drawing
0,0 to 15.24,50.8 on Mechanical Drawing
0,0 to 13.97,4.14 on Mechanical Drawing

## Text inside footprints (layer, text, board x,y; h text height)
J1: Top Overlay "1" at 28.35,0.54 h1 r90
J2: Top Overlay "1" at 51.21,0.54 h1 r90
J3: Top Overlay "1" at 63.9,52.6 h1 r90
J4: Top Overlay "1" at 42.1,52.6 h1 r90
J5: Top Overlay "1" at 0.5,46.6 h1
J6: Top Overlay "1" at 0.5,38 h1
JP1: Top Overlay "1" at 67.9,46.5 h1
JP2: Top Overlay "1" at 6.9,33.9 h1
JP3: Top Overlay "1" at 12.4,44.1 h1
JP4: Top Overlay "1" at 9.6,8.1 h1